# Altium PCB DAP-OffLine.PcbDoc
Units mil, origin at the board's own origin, x right, y up, seen from the top; angles counter-clockwise.
Board outline 2370 x 1580 mil, 2 copper layers (Top Layer, Bottom Layer); 89 components, 60 nets, 303 pads, 139 vias.
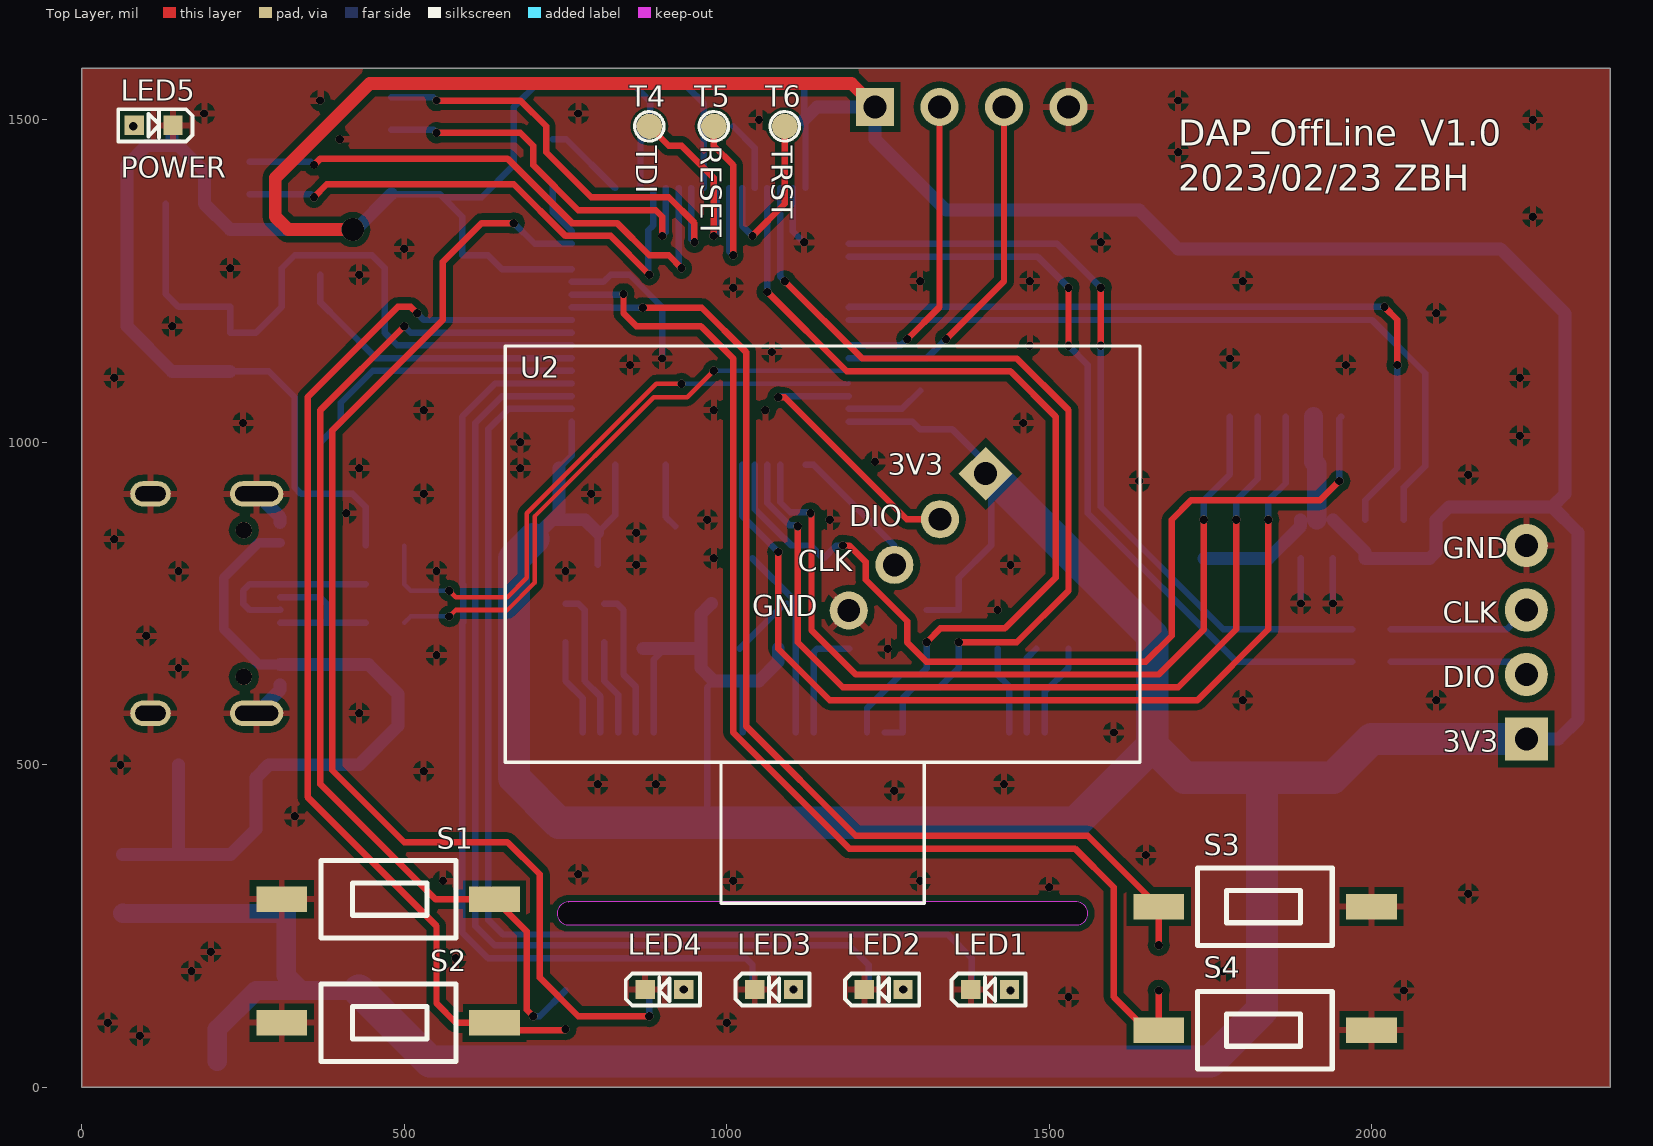
[diagram p0: Top Layer view]
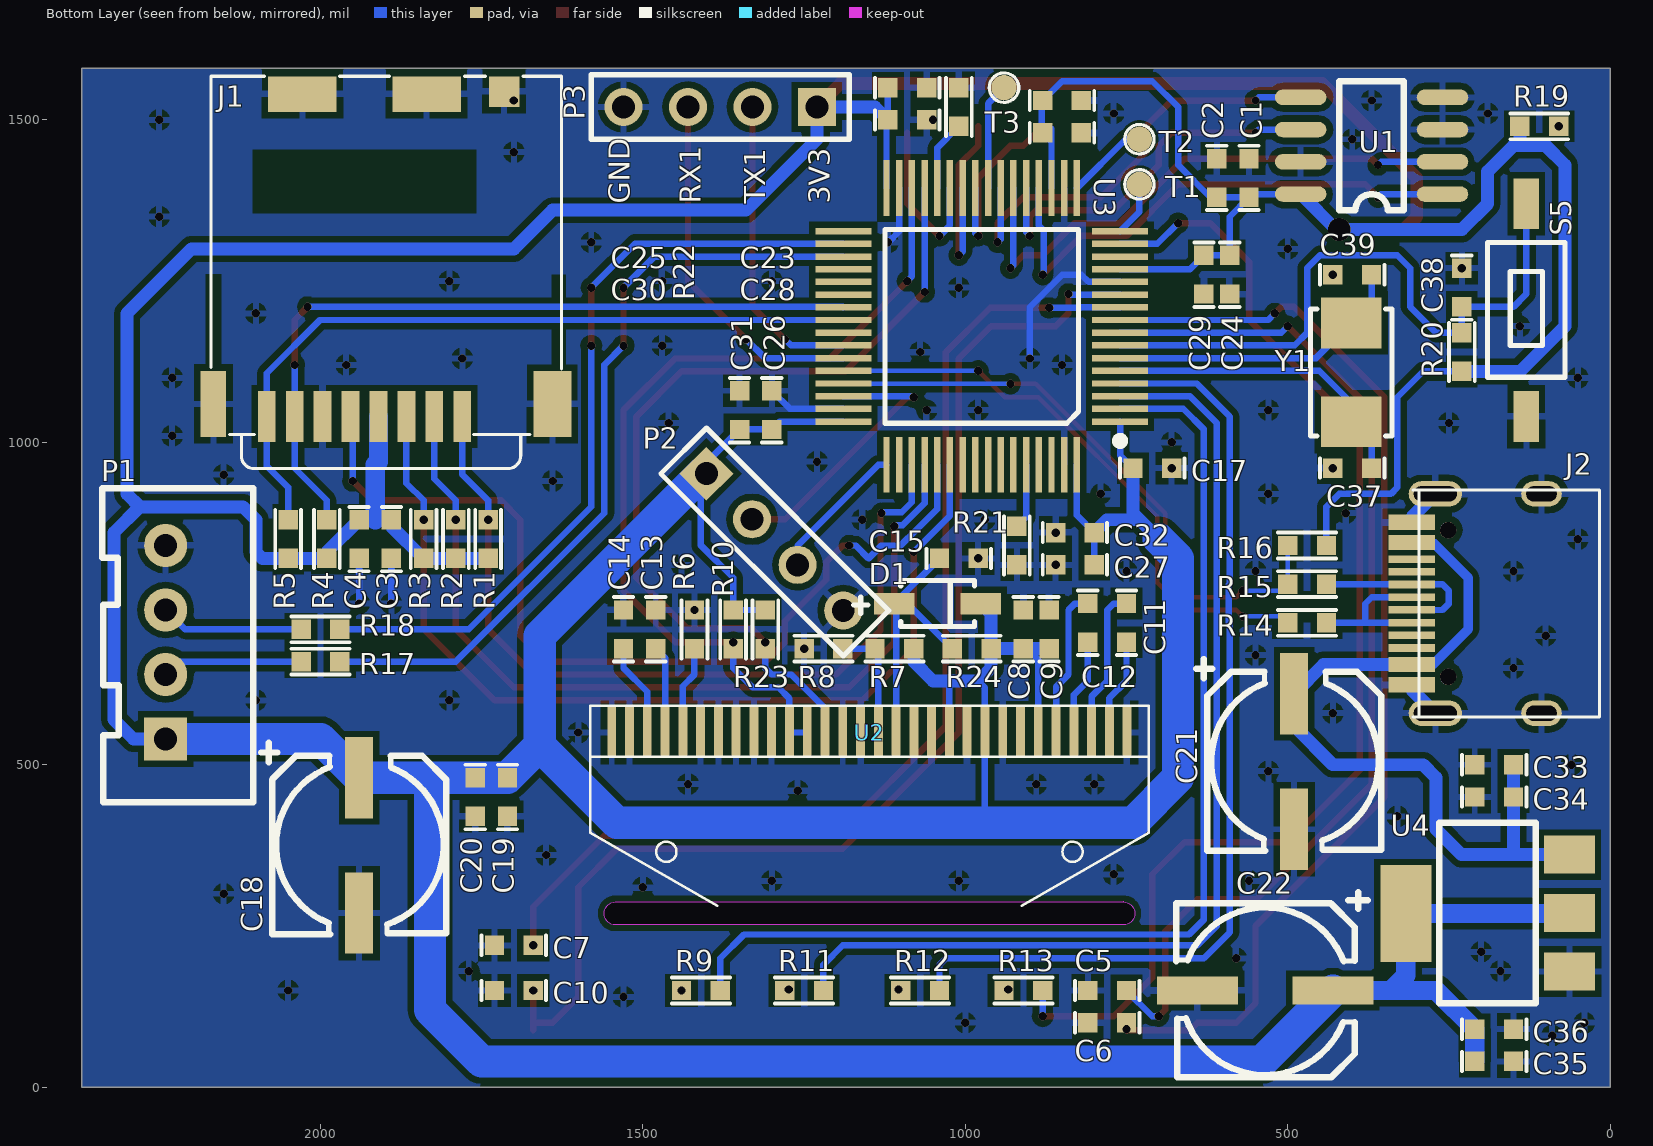
[diagram p1: Bottom Layer view, seen from below]
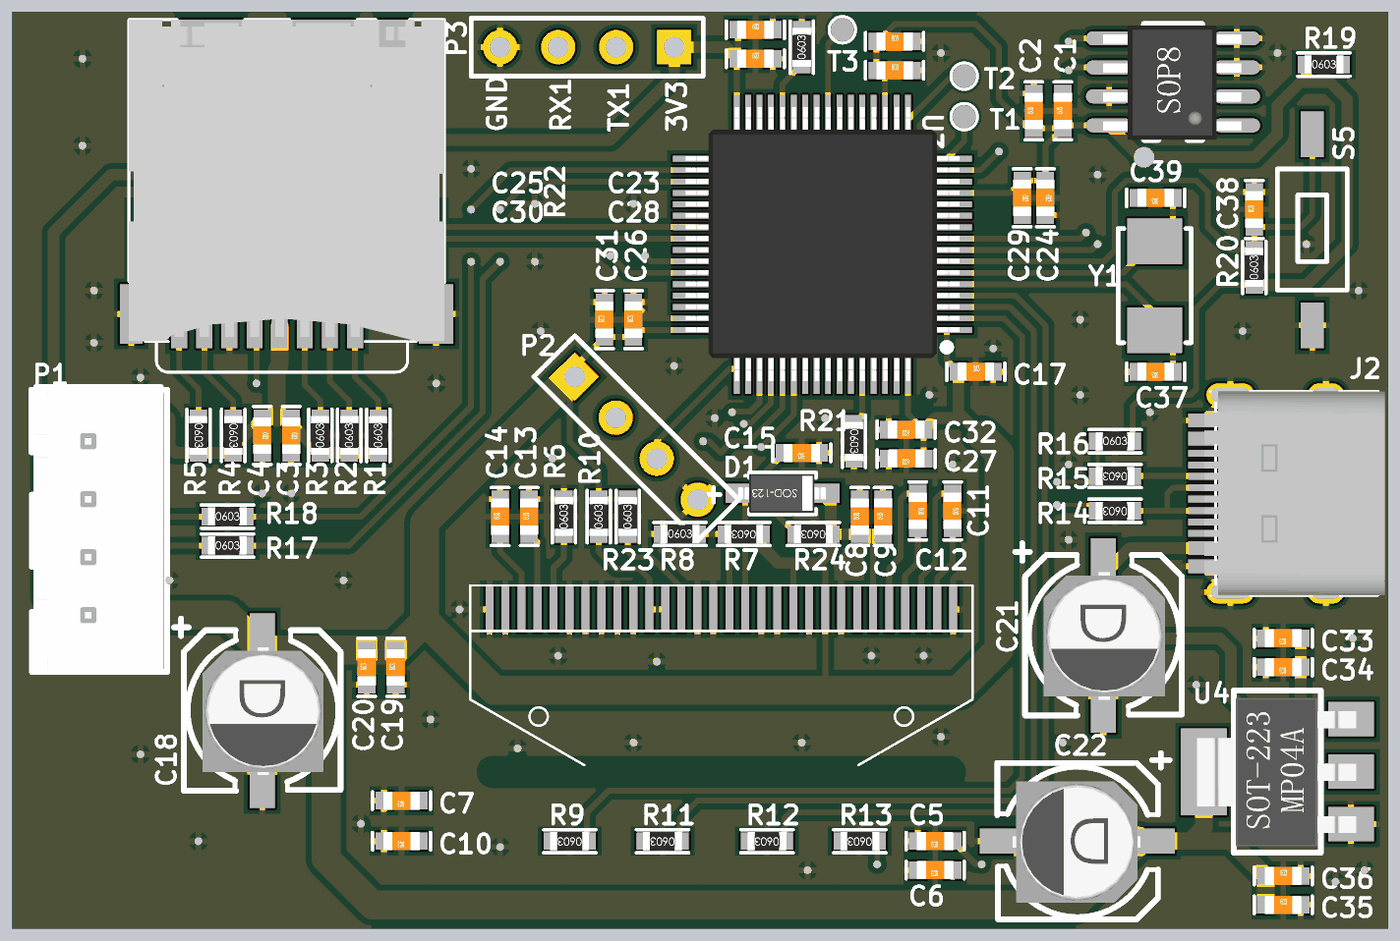
[diagram p2: 3D render of the assembled board from below, using the file's embedded part models]

## Layer stack, top to bottom
Top Solder: solder mask 0.4, Solder Resist, Dk 3.5
Top Layer: signal copper 1.4
Dielectric 1: dielectric 12.6, FR-4, Dk 4.8
Bottom Layer: signal copper 1.4
Bottom Solder: solder mask 0.4, Solder Resist, Dk 3.5

## Board outline
0,0 2370,0 2370,1580 0,1580

## Design rules (kind name [scope] priority, off if disabled: settings)
Clearance [All] p1: gap=10 except(3.8: Track-SMDPad SMDPad-SMDPad SMDPad-THPad THPad-THPad; 5: Track-Track)
ComponentClearance [All] p1: gap=0 collisioncheckmode=3 verticalgap=0 showdistances=FALSE
HoleToHoleClearance [All] p1: gap=5 allowstackedmicrovias=TRUE
MinimumSolderMaskSliver [All] p1: minsoldermaskwidth=0
PolygonConnect [All] p1: connectstyle=Relief reliefconductorwidth=10 reliefentries=4 polygonreliefangle="90 Angle" airgapwidth=10
RoutingVias [All] p1: holewidth=28 width=50 viastyle="Through Hole" minholewidth=28 minwidth=50 maxholewidth=28 maxwidth=50
SilkToSilkClearance [All] p1: silktosilkclearance=0
SilkToSolderMaskClearance [IsPad] p1: minsilkscreentomaskgap=0 clearancetoexposedcopper=TRUE
SolderMaskExpansion [All] p1: expansion=4
Width [All] p1: maxlimit=100 minlimit=5 preferedwidth=10
25 further rules are at their usual default settings.

## Classes and differential pairs
component class Flash&TF: C1 C2 C3 C4 J1 R1 R2 R3 R4 R5 U1
component class HMI: C5 C6 C7 C8 C9 C10 C11 C12 C13 C14 C15 D1 LED1 LED2 LED3 LED4 R6 R7 R8 R9 R10 R11 R12 R13 R23 R24 S1 S2 S3 S4 U2
component class MCU: C17 C18 C19 C20 C21 C22 C23 C24 C25 C26 C27 C28 C29 C30 C31 C32 C33 C34 C35 C36 C37 C38 C39 J2 LED5 P1 P2 P3 R14 R15 R16 R17 R18 R19 R20 R21 R22 S5 T1 T2 T3 T4 T5 T6 U3 U4 Y1

## Components (designator, comment, footprint, x,y, rotation, side; value= is the part's Value field where it differs from the comment)
C1 "10uf/16V" C_0603 560,1410 r270 bottom
C2 "0.1uf/25V" C_0603 610,1410 r270 bottom
C3 "10uf/16V" C_0603 1890,850 r90 bottom
C4 "0.1uf/25V" C_0603 1940,850 r90 bottom
C5 "0.1uf/25V" C_0603 780,150 r180 bottom
C6 "0.1uf/25V" C_0603 780,100 r180 bottom
C7 "0.1uf/25V" C_0603 1700,220 r180 bottom
C8 "1uf/50V" C_0603 910,710 r270 bottom
C9 "1uf/50V" C_0603 870,710 r270 bottom
C10 "0.1uf/25V" C_0603 1700,150 r180 bottom
C11 "1uf/50V" C_0603 750,720 r90 bottom
C12 "1uf/50V" C_0603 810,720 r90 bottom
C13 "4.7uf/10V" C_0603 1480,710 r270 bottom
C14 "2.2uf/25V" C_0603 1530,710 r270 bottom
C15 "10uf/25V" C_0603 1010,820 r180 bottom
C17 "0.1uf/25V" C_0603 710,960 r0 bottom
C18 "100uf/25V" C_6.3*5.4 1993.79,510.12 r270 bottom
C19 "10uf/16V" C_0603 1710,450 r270 bottom
C20 "0.1uf/25V" C_0603 1760,450 r270 bottom
C21 "100uf/25V" C_6.3*5.4 543.79,640.12 r270 bottom
C22 "100uf/25V" C_6.3*5.4 399.88,203.79 r0 bottom
C23 "10uf/16V" C_0603 850,1530 r0 bottom
C24 "10uf/16V" C_0603 590,1260 r90 bottom
C25 "10uf/16V" C_0603 1090,1550 r0 bottom
C26 "10uf/16V" C_0603 1300,1050 r270 bottom
C27 "10uf/16V" C_0603 830,810 r180 bottom
C28 "0.1uf/25V" C_0603 850,1480 r0 bottom
C29 "0.1uf/25V" C_0603 630,1260 r90 bottom
C30 "0.1uf/25V" C_0603 1090,1500 r0 bottom
C31 "0.1uf/25V" C_0603 1350,1050 r270 bottom
C32 "0.1uf/25V" C_0603 830,860 r180 bottom
C33 "10uf/16V" C_0603 180,500 r180 bottom
C34 "0.1uf/25V" C_0603 180,450 r180 bottom
C35 "10uf/16V" C_0603 180,40 r0 bottom
C36 "0.1uf/25V" C_0603 180,90 r0 bottom
C37 "20pf/50V" C_0603 400,960 r180 bottom
C38 "10uf/16V" C_0603 230,1240 r270 bottom
C39 "20pf/50V" C_0603 400,1260 r180 bottom
D1 "1N4148W" SOD123 1110,750 r0 bottom
J1 "TF-Card" DM3CS-TFCardSlot 1780.08,1040 r180 bottom
J2 "USB_TYPEC_YBT_2V0" USB_TYPEC_YBD_USB31 200,750 r90 bottom
LED1 "19-21SYGC/S530-E2/TR8" LED_0603 1408.5,151.5 r180 top
LED2 "19-21SYGC/S530-E2/TR8" LED_0603 1243.5,151.5 r180 top
LED3 "19-21SYGC/S530-E2/TR8" LED_0603 1073.5,151.5 r180 top
LED4 "19-21SYGC/S530-E2/TR8" LED_0603 903.5,151.5 r180 top
LED5 "19-21SYGC/S530-E2/TR8" LED_0603 111.5,1491.5 r0 top
P1 "A2543WR-4P-2" XH2.54-LI-4P 2240,690 r90 bottom
P2 "210S-1*4P L=11.6MM镀金" CON2.54-4P-A-DIP 1295.36,845.36 r225 bottom
P3 "210S-1*4P L=11.6MM镀金" CON2.54-4P-A-DIP 1380,1520 r0 bottom
R1 "50K" R_0603 1740,850 r270 bottom
R2 "50K" R_0603 1790,850 r270 bottom
R3 "50K" R_0603 1840,850 r270 bottom
R4 "50K" R_0603 1990,850 r90 bottom
R5 "50K" R_0603 2050,850 r90 bottom
R6 "910K" R_0603 1420,710 r270 bottom
R7 "NC" R_0603 1110,680 r180 bottom
R8 "4.7K" R_0603 1220,680 r0 bottom
R9 "10K" R_0603 1410,150 r180 bottom
R10 "4.7K" R_0603 1360,710 r270 bottom
R11 "10K" R_0603 1250,150 r180 bottom
R12 "10K" R_0603 1070,150 r180 bottom
R13 "10K" R_0603 910,150 r180 bottom
R14 "22R" R_0603 470,720 r180 bottom
R15 "22R" R_0603 470,780 r180 bottom
R16 "1.5K" R_0603 470,840 r0 bottom
R17 "100R" R_0603 2000,660 r0 bottom
R18 "100R" R_0603 2000,710 r0 bottom
R19 "10K" R_0603 110,1490 r0 bottom
R20 "10K" R_0603 230,1140 r270 bottom
R21 "10K" R_0603 920,840 r90 bottom
R22 "10K" R_0603 1010,1520 r270 bottom
R23 "4.7K" R_0603 1310,710 r270 bottom
R24 "4.7K" R_0603 990,680 r180 bottom
S1 "K2-1107ST-A4SW-06" SW-2P-6*3-SMT 310,291.58 r0 top
S2 "K2-1107ST-A4SW-06" SW-2P-6*3-SMT 310,100 r0 top
S3 "K2-1107ST-A4SW-06" SW-2P-6*3-SMT 2000,280 r180 top
S4 "K2-1107ST-A4SW-06" SW-2P-6*3-SMT 2000,88.42 r180 top
S5 "K2-1107ST-A4SW-06" SW-2P-6*3-SMT 130,1040 r90 bottom
T1 "TEST POINT_SMD" "TEST POINT-SMD" 730,1400 r180 bottom
T2 "TEST POINT_SMD" "TEST POINT-SMD" 730,1470 r180 bottom
T3 "TEST POINT_SMD" "TEST POINT-SMD" 940,1550 r180 bottom
T4 "TEST POINT_SMD" "TEST POINT-SMD" 880,1490 r180 top
T5 "TEST POINT_SMD" "TEST POINT-SMD" 980,1490 r180 top
T6 "TEST POINT_SMD" "TEST POINT-SMD" 1090,1490 r180 top
U1 "W25Q64JVSSIQ" SOP8 370,1460 r0 bottom
U2 "SSD1306" 显示屏0.91 656.59,503.8 r0 top
U3 "STM32F103RCT6" LQFP64 760,1032.21 r0 bottom
U4 "ASM1117-3.3V" SOT223 190,270 r90 bottom
Y1 "8.0MHZ" XTAL_5032 401.5,1108.5 r270 bottom

## Footprints (in the part's own frame and the unit in brackets; to place one, negate y for a bottom-side part, rotate by r counter-clockwise, add the part's x,y. Pads: shape width x height; smd on the part's side, far side on the other; paste and mask are expansions set on the pad)
C_6.3*5.4 [mm]
  rect 3.2x1.1 smd: 1(0.765,1.366) 2(6.099,1.366)
  silkscreen extent -0.61,-2.49 6.94,4.79, body extent 0.66,-1.24 6.26,4.06, height 5.2
C_0603 [mil]
  rect 30x30 smd: 1(-30,0) 2(30,0)
  silkscreen extent -50,-15 50,15, body extent -31,-16 31,16, height 12
CON2.54-4P-A-DIP [mm] "4P排针，排座"
  rect 1.5x1.5 hole 0.9: 1(-3.81,0)
  round 1.5 hole 0.9: 2(-1.27,0) 3(1.27,0) 4(3.81,0)
  silkscreen extent -5.08,-1.27 5.08,1.27
DM3CS-TFCardSlot [mm] "Hinge, Push -Pull (no ejection mechanism), Top board mounting (Standard)"
  rect 0.7x2 smd: 1(0,0) 2(-1.1,0) 3(-2.2,0) 4(-3.3,0) 5(-4.4,0) 6(-5.5,0) 7(-6.6,0) 8(-7.7,0)
  rect 2.7x1.4 smd: 9(-1.4,12.7) 10(-6.3,12.7)
  rect 1x2.6 smd: 10(-9.8,0.5)
  rect 1.2x1.2 smd: 10(1.65,12.8)
  rect 1.5x2.6 smd: 10(3.55,0.5)
  Top Layer pour cut-out: -8.25,8 -8.25,10.5 0.55,10.5 0.55,8
  Top Layer pour cut-out: -10.1,5.6 -9.5,5.6 -9.5,1.8 -10.1,1.8
  Top Layer pour cut-out: 3.5,5.6 4.1,5.6 4.1,1.8 3.5,1.8
  silkscreen extent -9.9,-2.05 3.91,13.4, body extent -9.9,-0.7 3.9,13.4, height 1.98
LED_0603 [mil]
  rect 30x30 smd: 1(-30,0) 2(30,0)
  silkscreen extent -55,-25 60,25, body extent -39,-20 40,22, height 18
LQFP64 [mm]
  rect 2.2x0.254 smd: 1(0,0) 2(0,-0.5) 3(0,-1) 4(0,-1.5) 5(0,-2) 6(0,-2.5) 7(0,-3) 8(0,-3.5) 9(0,-4) 10(0,-4.5) 11(0,-5) 12(0,-5.5) 13(0,-6) 14(0,-6.5) 15(0,-7) 16(0,-7.5) 33(10.9,-7.5) 34(10.9,-7) 35(10.9,-6.5) 36(10.9,-6) 37(10.9,-5.5) 38(10.9,-5) 39(10.9,-4.5) 40(10.9,-4) 41(10.9,-3.5) 42(10.9,-3) 43(10.9,-2.5) 44(10.9,-2) 45(10.9,-1.5) 46(10.9,-1) 47(10.9,-0.5) 48(10.9,0)
  rect 0.254x2.2 smd: 17(1.7,-9.2) 18(2.2,-9.2) 19(2.7,-9.2) 20(3.2,-9.2) 21(3.7,-9.2) 22(4.2,-9.2) 23(4.7,-9.2) 24(5.2,-9.2) 25(5.7,-9.2) 26(6.2,-9.2) 27(6.7,-9.2) 28(7.2,-9.2) 29(7.7,-9.2) 30(8.2,-9.2) 31(8.7,-9.2) 32(9.2,-9.2) 49(9.2,1.7) 50(8.7,1.7) 51(8.2,1.7) 52(7.7,1.7) 53(7.2,1.7) 54(6.7,1.7) 55(6.2,1.7) 56(5.7,1.7) 57(5.2,1.7) 58(4.7,1.7) 59(4.2,1.7) 60(3.7,1.7) 61(3.2,1.7) 62(2.7,1.7) 63(2.2,1.7) 64(1.7,1.7)
  silkscreen extent -0.13,-7.56 9.26,0.89, body extent -0.56,-9.76 11.44,2.24, height 1.65
R_0603 [mil]
  rect 30x30 smd: 1(-30,0) 2(30,0)
  silkscreen extent -45,-20 45,20, body extent -33,-16 33,16, height 22
SOD123 [mm]
  rect 1.6x0.85 smd: 1(0,0) 2(-3.4,0)
  silkscreen extent -3.15,-0.9 1.6,0.9, body extent -3.6,-0.85 0.25,0.85, height 1.42
SOP8 [mil]
  oval 80x24 smd: 1(-110,75) 2(-110,25) 3(-110,-25) 4(-110,-75) 5(110,-75) 6(110,-25) 7(110,25) 8(110,75)
  silkscreen extent -50,-100 50,100, body extent -118,-98 120,100, height 63
SOT223 [mil]
  rect 59x79 smd: 1(-90.55,-126.77) 2(0,-126.77) 3(90.55,-126.77)
  rect 150x79 smd: 2(-0.67,126.77)
  silkscreen extent -140,-75 140,75, body extent -129,-135 127,139, height 67
SW-2P-6*3-SMT [mm]
  rect 2x1 smd: 1(0,0) 2(8.382,0)
  silkscreen extent 1.55,-1.52 6.86,1.52, body extent 0.2,-2.07 8.09,1.78, height 2.5
"TEST POINT-SMD" [mm]
  round 1 smd: 1(0,0)
  silkscreen extent -0.58,-0.58 0.58,0.58
USB_TYPEC_YBD_USB31 [mm]
  rect 0.6x1.84 smd: 1(-3.2,2.731) 2(-2.4,2.731) 11(2.4,2.731) 12(3.2,2.731)
  rect 0.3x1.84 smd: 3(-1.75,2.731) 4(-1.25,2.731) 5(-0.75,2.731) 6(-0.25,2.731) 7(0.25,2.731) 8(0.75,2.731) 9(1.25,2.731) 10(1.75,2.731)
  oval 1x2.1 hole 0.6 slot 1.7 at 90 deg: 13(4.32,1.805) 16(-4.32,1.805)
  oval 1x1.6 hole 0.6 slot 1.2 at 90 deg: 14(4.32,-2.375) 15(-4.32,-2.375)
  round 0.65 hole 0.65 unplated: 17(-2.89,1.305) 18(2.89,1.305)
  silkscreen extent -4.47,-4.66 4.47,2.69, body extent -4.47,-4.95 4.47,2.95, height 3.2
XH2.54-LI-4P [mm] "接插件，4P  淘宝ID:黄晶宝石   店铺网址:https://shop463601444.taobao.com"
  rect 1.7x1.7 hole 0.9: 1(-3.81,0)
  round 1.7 hole 0.9: 2(-1.27,0) 3(1.27,0) 4(3.81,0)
  silkscreen extent -6.3,-3.45 6.07,2.49, body extent -6.31,-3.3 6.31,2.4, height 7.03
XTAL_5032 [mm]
  rect 2x2.4 smd: 1(-1.948,0) 2(1.948,0)
  silkscreen extent -2.5,-1.6 2.5,1.6
显示屏0.91 [mm]
  rect 0.35x2 smd far side: 1(2.349,1.173) 2(3.049,1.173) 3(3.749,1.173) 4(4.449,1.173) 5(5.149,1.173) 6(5.849,1.173) 7(6.549,1.173) 8(7.249,1.173) 9(7.949,1.173) 10(8.649,1.173) 11(9.349,1.173) 12(10.049,1.173) 13(10.749,1.173) 14(11.449,1.173) 15(12.149,1.173) 16(12.849,1.173) 17(13.549,1.173) 18(14.249,1.173) 19(14.949,1.173) 20(15.649,1.173) 21(16.349,1.173) 22(17.049,1.173) 23(17.749,1.173) 24(18.449,1.173) 25(19.149,1.173) 26(19.849,1.173) 27(20.549,1.173) 28(21.249,1.173) 29(21.949,1.173) 30(22.649,1.173)
  Keep-Out Layer board cut-out: 2.489,-6.401 2.491,-6.401 2.492,-6.401 2.492,-6.401 22.508,-6.401 22.51,-6.401 22.512,-6.401 22.512,-6.401 22.731,-6.336 22.891,-6.172 22.949,-5.95 22.949,-5.95 22.891,-5.729 22.732,-5.565 22.512,-5.5 22.512,-5.5 22.51,-5.5 22.508,-5.5 22.508,-5.5 2.492,-5.5 2.491,-5.5 2.489,-5.5 2.489,-5.5 2.494,-5.5 2.499,-5.5 2.499,-5.5 2.489,-5.5 2.268,-5.563 2.107,-5.728 2.048,-5.95 2.107,-6.173 2.268,-6.337 2.489,-6.401
  silkscreen extent 0,-5.55 25,16.4, body extent 0,-5.55 25,16.4, height 1.6

## Part data
C1 C3 C19 C23 C24 C25 C26 C27 C33 C35 C38: library part C-0603-10uf/16V-10%, "多层片式陶瓷电容器"
C2 C4 C5 C6 C7 C10 C17 C20 C28 C29 C30 C31 C32 C34 C36: library part C-0603-0.1uf/25V-10%, "多层片式陶瓷电容器"
C8 C9 C11 C12: library part C-0603-1uf/50V-10%, "多层片式陶瓷电容器"
C13: library part C-0603-4.7uf/10V-10%, "多层片式陶瓷电容器"
C14: library part C-0603-2.2uf/25V-10%, "多层片式陶瓷电容器"
C15: library part C-0603-10uf/25V-20%, "多层片式陶瓷电容器"
C18 C21 C22: library part C-6.3*5.8mm-100uf/25V-20%, "贴片电解电容"
C37 C39: library part C-0603-20pf/50V-5%, "多层片式陶瓷电容器"
D1: library part D_Schottky_1N4148W, "肖特基二极管SOD123"
J1: "TF-Card Connector"
J2: "type-c母座16pin 快充闪充usb3.0沉板母座连接"
LED1 LED2 LED3 LED4 LED5: library part LED1_19-21SYGC/S530-E2/TR8, "发光二极管0603黄绿色"
P1: library part "Header 4*1   2.54mm直插  A2543WR-4P-2"
P2 P3: library part "Header 4*1   2.54mm直插  210S-1*4P L=11.6MM镀金"
R1 R2 R3 R4 R5: library part R-0603-50K-1%, "通用电阻"
R6: library part R-0603-698K-1%, "通用电阻"
R7 R8 R10 R23 R24: library part R-0603-4.7K-1%, "通用电阻"
R9 R11 R12 R13 R19 R20 R21 R22: library part R-0603-10K-1%, "通用电阻"
R14 R15: library part R-0603-22R-1%, "通用电阻"
R16: library part R-0603-1.5K-1%, "通用电阻"
R17 R18: library part R-0603-100R-1%, "通用电阻"
S1 S2 S3 S4 S5: library part KEY_K2-1107ST-A4SW-06, "轻触开关3.6*6.1*2.5"
T1 T2 T3 T4 T5 T6: "测试点"
U1: library part W25Q64, "SPI FLASH"
U2: "OLED显示模块主控芯片"
U3: "Cortex-M3核心ARM控制器 72MHz主频 64pin引脚LQFP64"
U4: "三端稳压器"
Y1: library part XTAL_ABM3B-8.000MHZ-10-1-U-T, "晶体振荡器  5032-2P   8M"

## Via types
v1: diameter 13, hole 13, Top Layer to Bottom Layer, tented both sides, 138 vias
v2: diameter 35, hole 35, Top Layer to Bottom Layer, tented both sides, 1 vias

## Nets (pads, with @x,y where several pads share a name; then routed paths per layer and width w, separated by ;. In a path a pad name is that pad's centre, name@x,y a point inside that pad or via, vN(x,y) a via of type N, cw(c..) or ccw(c..) an arc to the next point about the centre after c; other vN are vias at no path point)
3V3: C1.2 C2.2 C3.2 C4.2 C8.2 C9.2 C17.2 C18.1 C19.1 C20.1 C22.1 C23.2 C24.2 C25.2 C26.2 C27.2 C28.2 C29.2 C30.2 C31.2 C32.2 C35.2 C36.2 D1.2 J1.4 P1.1 P2.1 P3.1 R1.2 R2.2 R3.2 R4.1 R5.1 R7.2 R10.1 R16.1 R19.2 R20.2 R23.1 R24.2 U1.8 U2.6 U2.9 U2.11 U3.1 U3.13 U3.19 U3.32 U3.48 U3.64 U4.2 | length 13570.2
  Top Layer w20: v2(420,1330) 320,1330 300,1350 300,1410 446.5,1556.5 1193.5,1556.5 P3.1
  Bottom Layer w10: R20.2 290,1110 330,1070 330,930 340,920 420,920 440,900 R16.1 ; U1.8 555,1385 C1.2 ; C17.2 760,980 U3.1 ; U3.13 651.58,1268.42 C29.2 C24.2 590,1350 C1.2 ; C27.2 C32.2 826.93,886.93 U3.64 ; U3.19 C28.2@866.3,1466.3 ; C28.2@866.3,1486.3 C28.2@866.3,1466.3 ; C23.2 850,1560 710,1560 670,1520 670,1430 620,1380 C2.2 C1.2 ; C23.2@881.5,1526.5 881.5,1481.5 C28.2 C28.2@866.3,1466.3 ; U2.6 886.85,663.15 C8.2@903.7,680 ; 980,630 969.53,619.53 U2.9 969.53,430.47 990,410 ; U2.11 1024.65,624.65 1030,630 ; C25.2 C30.2 1122.2,1497.8 U3.32 ; U3.48 1287.79,1032.21 C26.2 C31.2 1401.42,968.58 P2.1 1410,942.84 1410,840 1360,790 R10.1 R23.1
  Bottom Layer w20: R19.2 140,1460 ; R20.2 140,1110 70,1180 70,1430 100,1460 140,1460 ; U1.8 425,1330 v2(420,1330) 230,1330 190,1370 190,1420 150,1460 140,1460 ; 700,850 730,880 ; C17.2 740,890 730,880 ; C32.2 780,880 730,880 ; C9.2 903.7,680 C8.2 R24.2 ; D1.2 960,733.86 R24.2 ; R7.2 1080,660 1050,630 1030,630 980,630 960,650 R24.2 ; C30.2 1140,1520 P3.1 1230,1470 1340,1360 1640,1360 1700,1300 2200,1300 2300,1200 2300,920 2280,900 ; R1.2 R2.2 R3.2 1890,870 C3.2 ; C4.2 1990,830 R4.1 R5.1 2090,820 2100,830 2100,880 2120,900 2280,900 ; P1.1 2290,540 2320,570 2320,860 2280,900
  Bottom Layer w30: U4.2@63.23,270 63.9,269.33 316.77,269.33 316.77,173.23 340,150 ; C35.2 C36.2 270,150 340,150 ; C22.1 340,150 ; J1.4 1910,970 1915,965 1915,880
  Bottom Layer w50: C22.1 540,40 1750,40 1830,120 1830,480 ; 700,850 670,820 670,480 740,410 990,410 1540,410 1660,530 ; P2.1 1408.58,951.42 1660,700 1660,530 ; P1.1 2000,540 C18.1 1830,480 ; 1660,530 C19.1 C20.1 1830,480
BOOT0: R21.2 U3.60 | length 101.2
  Bottom Layer w10: U3.60 905.67,884.33 R21.2
BOOT1: R22.2 U3.28 | length 109.5
  Bottom Layer w10: R22.2 1043.46,1456.54 U3.28
GND: C1.1 C2.1 C3.1 C4.1 C5.1 C6.1 C7.1 C8.1 C9.1 C10.1 C13.1 C14.1 C15.2 C17.1 C18.2 C19.2 C20.2 C21.2 C22.2 C23.1 C24.1 C25.1 C26.1 C27.1 C28.1 C29.1 C30.1 C31.1 C32.1 C33.1 C34.1 C35.1 C36.1 C37.1 C38.1 C39.1 J1.6 J1.9 J1.10 J2.1 J2.12 J2.13 J2.14 J2.15 J2.16 LED1.2 LED2.2 LED3.2 LED4.2 LED5.2 P1.4 P2.4 P3.4 R6.1 R8.2 R21.1 R22.1 S1.1 S2.1 S3.1 S4.1 S5.1 U1.3 U1.4 U1.7 U2.1 U2.8 U2.10 U2.12 U2.13 U2.16 U2.17 U2.21 U2.22 U2.23 U2.24 U2.25 U2.29 U2.30 U3.12 U3.18 U3.31 U3.47 U3.63 U4.1 | length 717.7
  Bottom Layer w10: U3.12 808.74,1248.74 820,1260 849.59,1260 900,1209.59 v1(900,1130) ; U3.31 1102.52,1327.48 v1(1120,1310) ; U3.47 1271.89,1051.89 C26.1 ; v1(1890,750) C3.1 ; v1(1940,750) C4.1
  Bottom Layer w20: J2.16 307.5,616.36 J2.1 ; J2.13 307.5,883.64 J2.12
  other v1: 90,80 40,100 1000,100 1530,140 2050,150 170,180 1770,180 580,200 200,210 2150,300 1500,310 560,320 1010,320 1300,320 770,330 1650,360 330,420 1260,460 800,470 890,470 1430,470 530,490 60,500 1600,550 430,580 1800,600 2100,600 150,650 550,670 1250,680 100,700 1420,740 150,800 550,800 750,800 860,810 1440,810 980,820 50,850 860,860 970,880 1160,880 410,890 530,920 790,920 1640,940 2150,950 430,960 680,960 1230,970 680,1000 2230,1010 250,1030 1460,1030 530,1050 980,1050 1060,1050 50,1100 2230,1100 850,1120 1960,1120 1780,1130 1070,1140 1470,1150 140,1180 2100,1200 1010,1240 1300,1250 1470,1250 1800,1250 430,1260 230,1270 500,1300 1580,1310 2250,1350 1700,1450 400,1470 1050,1500 2250,1500 190,1510 770,1510 370,1530 1700,1530
IN5V0: C21.1 C33.2 C34.2 J2.2 J2.11 U4.3 | length 1248
  Bottom Layer w15: J2.2 274.93,655.51 220,710.44 220,789.56 274.93,844.49 J2.11
  Bottom Layer w20: U4.3 146.89,360.55 ; C33.2 C34.2 150,363.66 146.89,360.55 ; J2.2 444.49,655.51 C21.1 490,560 430,500 290,500 270,480 270,400 230.55,360.55 146.89,360.55
KEY1: C5.2 S1.2 U3.8 | length 1644.9
  Top Layer w10: v1(500,1180) 370,1050 370,470 548.42,291.58 S1.2 690,241.58 690,120 v1(700,110)
  Bottom Layer w10: v1(500,1180) 510,1170 U3.8 ; v1(700,110) 710,110 C5.2
KEY2: C6.2 S2.2 U3.9 | length 1717.1
  Top Layer w10: v1(520,1200) 510,1210 490,1210 350,1070 350,450 550,250 550,130 580,100 S2.2 651.5,88.5 748.5,88.5 v1(750,90)
  Bottom Layer w10: v1(520,1200) 530.32,1189.69 U3.9
KEY3: C7.2 S3.2 U3.10 | length 1694.7
  Top Layer w10: v1(870,1208.5) 961.5,1208.5 1030,1140 1030,560 1200,390 1560,390 S3.2 v1(1670,220)
  Bottom Layer w10: U3.10 820.63,1209.37 821.5,1208.5 v1(870,1208.5)
KEY4: C10.2 S4.2 U3.11 | length 1896.9
  Top Layer w10: v1(840,1230) 840,1200 860,1180 960,1180 1010,1130 1010,550 1190,370 1540,370 1600,310 1600,140 1640,100 S4.2@1670,100 ; S4.2 S4.2@1670,100 ; v1(1670,150) S4.2@1670,100
  Bottom Layer w10: U3.11 839.06,1229.06 v1(840,1230)
LED1: R9.2 U3.2 | length 1728.1
  Bottom Layer w10: U3.2 661.89,1051.89 630,1020 630,260 653.2,236.8 1343.2,236.8 1380,200 R9.2
LED2: R11.2 U3.3 | length 1622.1
  Bottom Layer w10: U3.3 651.58,1071.58 610,1030 610,250 640,220 1190,220 1220,190 R11.2
LED3: R12.2 U3.4 | length 1503.2
  Bottom Layer w10: U3.4 641.26,1091.26 590,1040 590,780.41 591.5,778.91 591.5,721.09 590,719.59 590,240 630,200 1030,200 1040,190 R12.2
LED4: R13.2 U3.15 | length 1881
  Top Layer w10: v1(670,1340) 620,1340 560,1280 560,1190 388.5,1018.5 388.5,491.5 500,380 660,380 710,330 710,170 770,110 v1(880,110)
  Bottom Layer w10: v1(670,1340) 702.21,1307.79 U3.15 ; v1(880,110) R13.2
NetC11_1: C11.1 U2.2 | length 151
  Bottom Layer w10: C11.1 750,630 776.61,603.39 U2.2
NetC11_2: C11.2 U2.3 | length 234.2
  Bottom Layer w10: C11.2 770,750 780,740 780,630 804.17,605.83 U2.3
NetC12_1: C12.1 U2.4 | length 149
  Bottom Layer w10: C12.1 810,630 831.73,608.27 U2.4
NetC12_2: C12.2 U2.5 | length 232.1
  Bottom Layer w10: C12.2 830,750 840,740 840,640 859.29,620.71 U2.5
NetC13_2: C13.2 U2.27 | length 136
  Bottom Layer w10: U2.27 1465.59,665.59 C13.2
NetC14_2: C14.2 U2.28 | length 145.3
  Bottom Layer w10: U2.28 1493.15,613.15 1530,650 C14.2
NetC15_1: C15.1 D1.1 R24.1 U2.14 | length 419.1
  Bottom Layer w10: R24.1 1090,750 D1.1 ; C15.1 D1.1 ; U2.14 1107.32,747.32 D1.1
NetJ2_5: J2.5 J2.7 R14.2 | length 239.1
  Bottom Layer w10: J2.5 307.98,720 380,720 ; J2.7 369.84,759.84 380,749.69 380,720 ; R14.2 380,720
NetJ2_6: J2.6 J2.8 R15.2 | length 276.6
  Bottom Layer w10: J2.6 307.66,740 260,740 250,750 250,770 260,780 307.03,780 J2.8 307.98,780 R15.2
NetLED1_1: LED1.1 R9.1
  other v1: 1440,150
NetLED2_1: LED2.1 R11.1
  other v1: 1273.5,151.5
NetLED3_1: LED3.1 R12.1
  other v1: 1103.5,151.5
NetLED4_1: LED4.1 R13.1
  other v1: 933.5,151.5
NetLED5_1: LED5.1 R19.1
  other v1: 80,1490
NetP1_2: P1.2 R17.2 | length 218.3
  Bottom Layer w10: R17.2 2220,660 P1.2
NetP1_3: P1.3 R18.2 | length 222.4
  Bottom Layer w10: R18.2 2210,710 P1.3
NetR6_2: R6.2 U2.26 | length 137.5
  Bottom Layer w10: R6.2 1420,640 1438.03,621.97 U2.26
NetR7_1: R7.1 R8.1 U2.15 | length 182.1
  Bottom Layer w10: U2.15 1134.88,674.88 R7.1 R8.1
NetT1_1: T1.1 U3.16 | length 84.9
  Bottom Layer w10: T1.1 730,1357.48 U3.16
NetT2_1: T2.1 U3.17 | length 128.2
  Bottom Layer w10: T2.1 751.34,1470 U3.17
OLED_CLK: R23.2 U2.18 U3.29 | length 1375.4
  Top Layer w10: v1(1063.15,1233.15) 1186.3,1110 1440,1110 1510,1040 1510,790 1431.5,711.5 1331.5,711.5 v1(1310,690)
  Bottom Layer w10: v1(1063.15,1233.15) U3.29 ; U2.18 1217.56,587.56 1270,640 1300,640 1310,650 R23.2 v1(1310,690)
OLED_SDA: R10.2 U2.19 U2.20 U3.30 | length 1380.5
  Top Layer w10: v1(1090,1250) 1210,1130 1450,1130 1530,1050 1530,770 1450,690 v1(1360,690)
  Bottom Layer w10: U3.30 1082.83,1257.17 v1(1090,1250) ; U2.19 U2.20 1272.68,602.68 1290,620 1330,620 1360,650 R10.2 v1(1360,690)
OSCIN: C37.2 U3.5 Y1.2 | length 493.5
  Bottom Layer w10: C37.2 370,1000.3 Y1.2 401.5,1061.5 450.94,1110.94 U3.5
OSCOUT: C39.2 U3.6 Y1.1 | length 468.9
  Bottom Layer w10: C39.2 370,1216.71 Y1.1 456.08,1130.63 U3.6
RESET: C38.2 R20.1 S5.2 U3.7 | length 1019.8
  Bottom Layer w10: S5.2 130,1230 150,1210 C38.2 R20.1 270,1170 310,1210 310,1270 330,1290 450,1290 470,1270 470,1169.59 489.28,1150.32 U3.7
RESET_E: T5.1 U3.26 | length 319.3
  Top Layer w10: T5.1 980,1460 1010,1430 v1(1010,1290)
  Bottom Layer w10: U3.26 1004.09,1295.91 v1(1010,1290)
SD_CLK: J1.5 U3.53 | length 1448
  Top Layer w10: v1(1180,840) 1190,840 1215.47,814.53 1215.47,787.03 1280,722.5 1280,689.59 1309.59,660 1650,660 1690,700 1690,880 1720,910 1920,910 v1(1950,940)
  Bottom Layer w10: U3.53 1043.46,896.54 1088.5,851.5 1088.91,851.5 1100.41,840 1130,840 1150,820 1170,840 v1(1180,840) ; v1(1950,940) 1950,1036.69 J1.5
SD_CMD: J1.3 R3.1 U3.54 | length 1488.3
  Top Layer w10: v1(1080,830) 1080,680 1160,600 1730,600 1840,710 v1(1840,880)
  Bottom Layer w10: U3.54 1023.78,886.22 v1(1080,830) ; v1(1840,880) 1840,910 1866.69,936.69 J1.3
SD_D0: J1.7 R4.2 U3.39 | length 1190.1
  Top Layer w10: v1(2020,1210) 2040,1190 v1(2040,1120)
  Bottom Layer w10: U3.39 1189.76,1210 v1(2020,1210) ; R4.2 1990,910 2039.92,959.92 J1.7 2039.92,1119.92 v1(2040,1120)
SD_D1: J1.8 R5.2 U3.40 | length 1169.2
  Bottom Layer w10: U3.40 2000.72,1189.69 2083.23,1107.18 J1.8 2083.23,963.23 2050,930 R5.2
SD_D2: J1.1 R1.1 U3.51 | length 1307
  Top Layer w10: v1(1130,890) 1131.5,888.5 1131.5,708.5 1200,640 1670,640 1740,710 v1(1740,880)
  Bottom Layer w10: U3.51 1082.83,907.17 1098.5,891.5 1128.5,891.5 v1(1130,890) ; v1(1740,880) 1740,910 1780.08,950.08 J1.1
SD_D3: J1.2 R2.1 U3.52 | length 1391.4
  Top Layer w10: v1(1110,870) 1110,690 1180,620 1700,620 1790,710 v1(1790,880)
  Bottom Layer w10: U3.52 1063.15,905.64 1097.29,871.5 1108.5,871.5 v1(1110,870) ; v1(1790,880) 1790,910 1823.39,943.39 J1.2
SPI_CLK: U1.6 U3.21 | length 600.2
  Top Layer w10: v1(550,1480) 680,1480 700,1460 700,1430 770,1360 890,1360 900,1350 v1(900,1320)
  Bottom Layer w10: U1.6 545,1485 v1(550,1480) ; v1(900,1320) 905.67,1325.67 U3.21
SPI_CSS: U1.1 U3.20 | length 826.5
  Top Layer w10: v1(360,1380) 380,1400 670,1400 750,1320 820,1320 v1(880,1260)
  Bottom Layer w10: U1.1 355,1385 v1(360,1380) ; v1(880,1260) 878.5,1261.5 878.5,1328.91 885.98,1336.39 U3.20
SPI_MISO: U1.2 U3.22 | length 873
  Top Layer w10: v1(360,1430) 370,1440 660,1440 760,1340 830,1340 880,1290 910,1290 v1(930,1270)
  Bottom Layer w10: U1.2 355,1435 v1(360,1430) ; U3.22 925.35,1274.65 v1(930,1270)
SPI_MOSI: U1.5 U3.23 | length 690.7
  Top Layer w10: v1(550,1530) 680,1530 720,1490 720,1450 790,1380 910,1380 950,1340 v1(950,1310)
  Bottom Layer w10: U1.5 545,1535 v1(550,1530) ; U3.23 945.04,1314.96 v1(950,1310)
SWCLK: P2.3 U3.49 | length 219.7
  Bottom Layer w10: U3.49 1134.72,965.28 1260,840 P2.3
SWCLK_E: R18.1 U3.34 | length 1227.6
  Top Layer w10: v1(1580,1150) v1(1580,1240)
  Bottom Layer w10: U3.34 1512.21,1307.79 v1(1580,1240) ; v1(1580,1150) 1580,900 1770,710 R18.1
SWDIO: P2.2 U3.46 | length 438.9
  Top Layer w10: v1(1080,1070) 1090,1070 1279.29,880.71 P2.2
  Bottom Layer w10: v1(1080,1070) 1081.58,1071.58 U3.46
SWDIO_E: R17.1 U3.35 | length 1228.5
  Top Layer w10: v1(1530,1150) v1(1530,1240)
  Bottom Layer w10: U3.35 1481.89,1288.11 v1(1530,1240) ; v1(1530,1150) 1560,1120 1560,890 1790,660 R17.1
TDI_E: T4.1 U3.25 | length 299.4
  Top Layer w10: T4.1 910,1460 930,1460 980,1410 v1(980,1320)
  Bottom Layer w10: v1(980,1320) 984.41,1324.41 U3.25
TDO_E: T3.1 U3.24 | length 165.8
  Bottom Layer w10: T3.1 964.72,1525.28 U3.24
TRST_E: T6.1 U3.27 | length 261.8
  Top Layer w10: v1(1040,1320) 1090,1370 T6.1@1090,1480
  Bottom Layer w10: U3.27 1023.78,1336.22 v1(1040,1320)
UART_RX: P3.3 U3.43 | length 560.3
  Top Layer w10: v1(1340,1160) 1430,1250 P3.3
  Bottom Layer w10: U3.43 1310.63,1130.63 v1(1340,1160)
URAT_TX: P3.2 U3.42 | length 475.6
  Top Layer w10: v1(1280,1160) 1330,1210 P3.2
  Bottom Layer w10: U3.42 1270.32,1150.32 v1(1280,1160)
USB_N: R14.1 U3.44 | length 911.4
  Top Layer w7: v1(570,730) 580,740 660,740 702,782 702,885.03 886.97,1070 939.06,1070 v1(980,1110.94)
  Bottom Layer w7: R14.1 510,730 v1(570,730) ; v1(980,1110.94) U3.44
USB_P: R15.1 R16.2 U3.45 | length 953.2
  Top Layer w7: v1(570,770) 580,760 660,760 690,790 690,890 890.94,1090.94 v1(930,1090.94)
  Bottom Layer w7: R16.2 R15.1 510,770 v1(570,770) ; v1(930,1090.94) 1188.82,1090.94 U3.45
pads on no net: J2.3 J2.4 J2.9 J2.10 J2.17 J2.18 U2.7 U3.14 U3.33 U3.36 U3.37 U3.38 U3.41 U3.50 U3.55 U3.56 U3.57 U3.58 U3.59 U3.61 U3.62

## Polygon pours and split planes (outlines as drawn)
GND on Top Layer "Mechanical 1-No Net" (solid, remove dead copper, pour order 1): 0,0 2370,0 2370,1580 0,1580
GND on Bottom Layer "Mechanical 1-No Net" (solid, remove dead copper, pour order 0): 0,0 2370,0 2370,1580 0,1580

## Other copper
Bottom Layer:
  pour cut-out: 340,720 570,720 570,770 340,770

## Silkscreen, mask and mechanical layers (free items; w line width, h text height)
Top Overlay:
  text "TDI" at 860,1460 h32 r270
  text "RESET" at 960,1460 h32 r270
  text "TRST" at 1070,1460 h32 r270
  text "DAP_OffLine  V1.0" at 1700,1460 h40
  text "POWER" at 60,1410 h32
  text "2023/02/23 ZBH" at 1700,1390 h40
  text "3V3" at 1250,950 h32
  text "DIO" at 1190,870 h32
  text "GND" at 2110,820 h32
  text "CLK" at 1110,800 h32
  text "GND" at 1040,730 h32
  text "CLK" at 2110,720 h32
  text "DIO" at 2110,620 h32
  text "3V3" at 2110,520 h32
Bottom Overlay:
  text "3V3" at 1210,1370 h32 r270
  text "TX1" at 1310,1370 h32 r270
  text "RX1" at 1410,1370 h32 r270
  text "GND" at 1520,1370 h32 r270
Mechanical 1:
  the board outline again, w5